# Altium PCB Z693_H93-A_KD01_V1.3_X6.PcbDoc (part 6 of 7)
Units mil, origin at the board's own origin, x right, y up, seen from the top; angles counter-clockwise.
Board outline 6229.44 x 4099.52 mil, 4 copper layers (Top Layer, Mid-Layer 1, Mid-Layer 2, Bottom Layer); 1032 components, 62 nets, 3170 pads, 1350 vias.
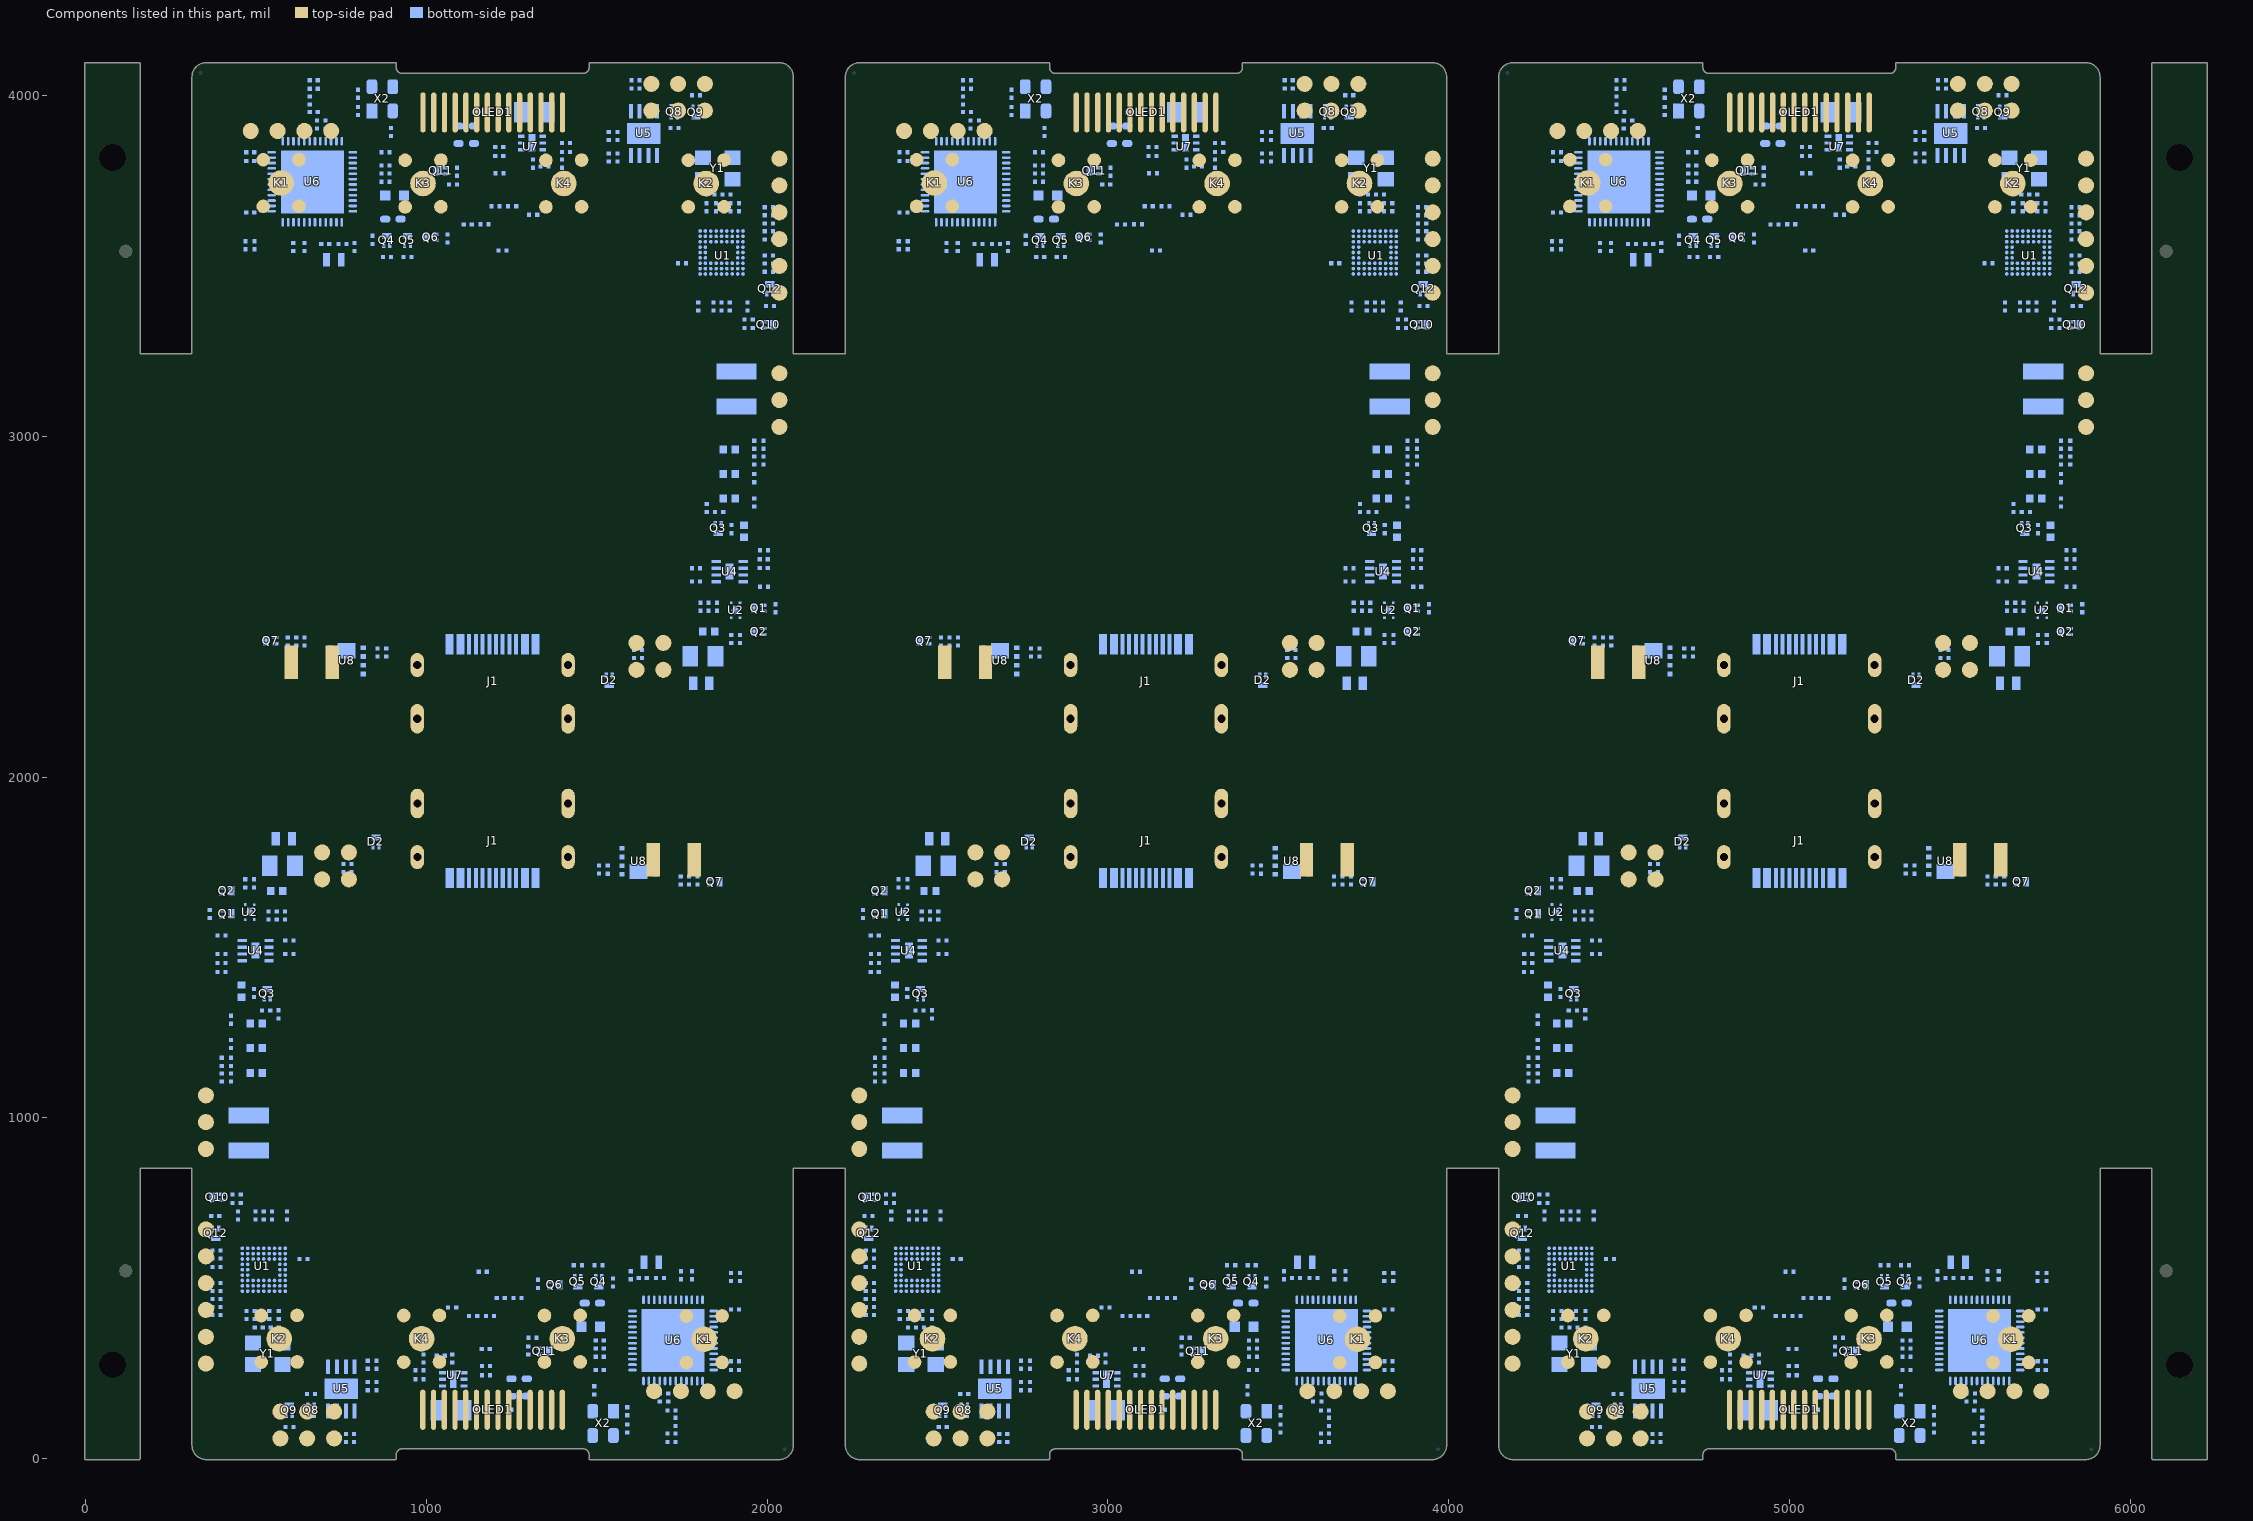
[diagram p8: the components of this part, seen from the top]

## Via types
v1: diameter 15, hole 8, Top Layer to Bottom Layer, tented both sides, 1194 vias
v2: diameter 8, hole 4, Mid-Layer 2 to Bottom Layer, tented bottom, 150 vias
v3: diameter 20, hole 10, Top Layer to Bottom Layer, tented both sides, 6 vias

## Nets (pads, with @x,y where several pads share a name; then routed paths per layer and width w, separated by ;. In a path a pad name is that pad's centre, name@x,y a point inside that pad or via, vN(x,y) a via of type N, cw(c..) or ccw(c..) an arc to the next point about the centre after c; other vN are vias at no path point) (continued)
copper on no net: (continued)
  Bottom Layer w10: 387.45,1454.91 387.45,1480.91 ; 400.02,1130.5 400.02,1152.91 427.26,1152.91 427.26,1130.5 ; v1(400.26,1560.1) 400.26,1590.1 367.66,1590.1 350.39,1572.83 350.39,1388.96 384.73,1354.63 457.79,1354.63 ; 400.26,1607.81 367,1607.81 364.38,1610.43 364.38,1664.93 375.26,1675.81 400.26,1675.81 ; v1(400.26,1632.1) 400.26,1658.1 ; 427.26,1176.53 439.08,1176.53 483.26,1132.35 v1(483.26,1103.56) ; 457.91,1354.75 494.12,1354.75 ; 541.98,1350.81 541.98,1315.81 566.74,1315.81 ; 657.63,3866.49 657.63,3952.25 657.88,3952.51 657.88,3974.51 ; 1731.88,119.99 1731.88,141.99 1732.13,142.24 1732.13,228 ; 1823.02,2778.68 1847.79,2778.68 1847.79,2743.68 ; 1895.65,2739.74 1931.85,2739.74 ; v1(1906.5,2990.93) 1906.5,2962.14 1950.69,2917.96 1962.5,2917.96 ; 1931.98,2739.86 2005.04,2739.86 2039.37,2705.53 2039.37,2521.66 2022.1,2504.4 1989.5,2504.4 v1(1989.5,2534.4) ; 1962.5,2963.99 1962.5,2941.58 1989.74,2941.58 1989.74,2963.99 ; 1989.5,2418.68 2014.5,2418.68 2025.39,2429.56 2025.39,2484.06 2022.76,2486.68 1989.5,2486.68 ; 1989.5,2436.4 v1(1989.5,2462.4) ; 2002.32,2613.58 2002.32,2639.58 ; 2304.77,1454.91 2304.77,1480.91 ; 2317.35,1130.5 2317.35,1152.91 2344.58,1152.91 2344.58,1130.5 ; v1(2317.58,1560.1) 2317.58,1590.1 2284.99,1590.1 2267.72,1572.83 2267.72,1388.96 2302.05,1354.63 2375.11,1354.63 ; 2317.58,1607.81 2284.32,1607.81 2281.7,1610.43 2281.7,1664.93 2292.58,1675.81 2317.58,1675.81 ; v1(2317.58,1632.1) 2317.58,1658.1 ; 2344.58,1176.53 2356.4,1176.53 2400.58,1132.35 v1(2400.58,1103.56) ; 2375.23,1354.75 2411.44,1354.75 ; 2459.3,1350.81 2459.3,1315.81 2484.07,1315.81 ; 2574.95,3866.49 2574.95,3952.25 2575.21,3952.51 2575.21,3974.51 ; 3649.21,119.99 3649.21,141.99 3649.46,142.24 3649.46,228 ; 3740.35,2778.68 3765.11,2778.68 3765.11,2743.68 ; 3812.97,2739.74 3849.18,2739.74 ; v1(3823.83,2990.93) 3823.83,2962.14 3868.01,2917.96 3879.83,2917.96 ; 3849.3,2739.86 3922.36,2739.86 3956.69,2705.53 3956.69,2521.66 3939.43,2504.4 3906.83,2504.4 v1(3906.83,2534.4) ; 3879.83,2963.99 3879.83,2941.58 3907.06,2941.58 3907.06,2963.99 ; 3906.83,2418.68 3931.83,2418.68 3942.71,2429.56 3942.71,2484.06 3940.09,2486.68 3906.83,2486.68 ; 3906.83,2436.4 v1(3906.83,2462.4) ; 3919.64,2613.58 3919.64,2639.58 ; 4222.1,1454.91 4222.1,1480.91 ; 4234.67,1130.5 4234.67,1152.91 4261.91,1152.91 4261.91,1130.5 ; v1(4234.91,1560.1) 4234.91,1590.1 4202.31,1590.1 4185.04,1572.83 4185.04,1388.96 4219.38,1354.63 4292.44,1354.63 ; 4234.91,1607.81 4201.65,1607.81 4199.03,1610.43 4199.03,1664.93 4209.91,1675.81 4234.91,1675.81 ; v1(4234.91,1632.1) 4234.91,1658.1 ; 4261.91,1176.53 4273.73,1176.53 4317.91,1132.35 v1(4317.91,1103.56) ; 4292.56,1354.75 4328.77,1354.75 ; 4376.62,1350.81 4376.62,1315.81 4401.39,1315.81 ; 4492.28,3866.49 4492.28,3952.25 4492.53,3952.51 4492.53,3974.51 ; 5566.53,119.99 5566.53,141.99 5566.78,142.24 5566.78,228 ; 5657.67,2778.68 5682.44,2778.68 5682.44,2743.68 ; 5730.29,2739.74 5766.5,2739.74 ; v1(5741.15,2990.93) 5741.15,2962.14 5785.33,2917.96 5797.15,2917.96 ; 5766.62,2739.86 5839.68,2739.86 5874.02,2705.53 5874.02,2521.66 5856.75,2504.4 5824.15,2504.4 v1(5824.15,2534.4) ; 5797.15,2963.99 5797.15,2941.58 5824.39,2941.58 5824.39,2963.99 ; 5824.15,2418.68 5849.15,2418.68 5860.03,2429.56 5860.03,2484.06 5857.41,2486.68 5824.15,2486.68 ; 5824.15,2436.4 v1(5824.15,2462.4) ; 5836.96,2613.58 5836.96,2639.58
  Bottom Layer w12: 368.8,672.35 368.8,711.88 368.8,763.58 372.25,767.02 ; 396.26,409.97 472.16,409.97 ; v1(401.26,1500.94) 459.89,1500.94 ; 411.07,1481.25 v1(429.82,1481.25) 459.89,1481.25 ; 495.01,1582.58 537.01,1582.58 ; 499.26,1491.1 509.1,1500.94 608.95,1500.94 ; 518.35,1132.35 518.35,1315.81 ; 991.89,282.1 991.89,259.78 998.89,252.78 1047.76,252.78 1047.76,273.56 1056.3,282.1 1076.26,282.1 1118.8,282.1 1132.58,295.88 1273.57,295.88 1295.08,274.36 1295.08,234.66 v1(1336.34,234.65) ; v1(1053.43,3859.84) 1094.68,3859.83 1094.68,3820.13 1116.2,3798.62 1257.18,3798.62 1270.96,3812.4 1313.5,3812.4 1333.46,3812.4 1342,3820.93 1342,3841.71 1390.87,3841.71 1397.87,3834.71 1397.87,3812.4 ; 1139.88,3859.93 1140.04,3860.09 ; 1249.73,234.4 1249.88,234.56 ; 1780.81,2593.55 1880.66,2593.55 1890.5,2603.4 ; 1852.76,2511.91 1894.76,2511.91 ; 1871.41,2778.68 1871.41,2962.14 ; 1917.6,3684.52 1993.5,3684.52 ; 1929.87,2593.55 v1(1988.5,2593.55) ; 1929.87,2613.24 v1(1959.95,2613.24) 1978.69,2613.24 ; 2017.52,3327.47 2020.96,3330.91 2020.96,3382.62 2020.96,3422.14 ; 2286.13,672.35 2286.13,711.88 2286.13,763.58 2289.57,767.02 ; 2313.58,409.97 2389.48,409.97 ; v1(2318.58,1500.94) 2377.21,1500.94 ; 2328.4,1481.25 v1(2347.14,1481.25) 2377.21,1481.25 ; 2412.33,1582.58 2454.33,1582.58 ; 2416.58,1491.1 2426.43,1500.94 2526.28,1500.94 ; 2435.68,1132.35 2435.68,1315.81 ; 2909.21,282.1 2909.21,259.78 2916.21,252.78 2965.09,252.78 2965.09,273.56 2973.62,282.1 2993.58,282.1 3036.13,282.1 3049.91,295.88 3190.89,295.88 3212.41,274.36 3212.41,234.66 v1(3253.66,234.65) ; v1(2970.75,3859.84) 3012.01,3859.83 3012.01,3820.13 3033.52,3798.62 3174.5,3798.62 3188.28,3812.4 3230.83,3812.4 3250.79,3812.4 3259.32,3820.93 3259.32,3841.71 3308.2,3841.71 3315.2,3834.71 3315.2,3812.4 ; 3057.21,3859.93 3057.36,3860.09 ; 3167.05,234.4 3167.21,234.56 ; 3698.14,2593.55 3797.99,2593.55 3807.83,2603.4 ; 3770.08,2511.91 3812.08,2511.91 ; 3788.73,2778.68 3788.73,2962.14 ; 3834.93,3684.52 3910.83,3684.52 ; 3847.2,2593.55 v1(3905.83,2593.55) ; 3847.2,2613.24 v1(3877.27,2613.24) 3896.02,2613.24 ; 3934.84,3327.47 3938.28,3330.91 3938.28,3382.62 3938.28,3422.14 ; 4203.45,672.35 4203.45,711.88 4203.45,763.58 4206.89,767.02 ; 4230.91,409.97 4306.81,409.97 ; v1(4235.91,1500.94) 4294.54,1500.94 ; 4245.72,1481.25 v1(4264.47,1481.25) 4294.54,1481.25 ; 4329.66,1582.58 4371.66,1582.58 ; 4333.91,1491.1 4343.75,1500.94 4443.6,1500.94 ; 4353,1132.35 4353,1315.81 ; 4826.54,282.1 4826.54,259.78 4833.54,252.78 4882.41,252.78 4882.41,273.56 4890.95,282.1 4910.91,282.1 4953.45,282.1 4967.23,295.88 5108.21,295.88 5129.73,274.36 5129.73,234.66 v1(5170.99,234.65) ; v1(4888.07,3859.84) 4929.33,3859.83 4929.33,3820.13 4950.85,3798.62 5091.83,3798.62 5105.61,3812.4 5148.15,3812.4 5168.11,3812.4 5176.65,3820.93 5176.65,3841.71 5225.52,3841.71 5232.52,3834.71 5232.52,3812.4 ; 4974.53,3859.93 4974.69,3860.09 ; 5084.37,234.4 5084.53,234.56 ; 5615.46,2593.55 5715.31,2593.55 5725.15,2603.4 ; 5687.4,2511.91 5729.4,2511.91 ; 5706.06,2778.68 5706.06,2962.14 ; 5752.25,3684.52 5828.15,3684.52 ; 5764.52,2593.55 v1(5823.15,2593.55) ; 5764.52,2613.24 v1(5794.59,2613.24) 5813.34,2613.24 ; 5852.17,3327.47 5855.61,3330.91 5855.61,3382.62 5855.61,3422.14
  Bottom Layer w15: 337.88,4066.93 337.88,3998.13 377.88,3998.13 377.88,4066.93 417.88,4066.93 417.88,3998.13 457.88,3998.13 457.88,4066.93 497.88,4066.93 497.88,3998.13 537.88,3998.13 537.88,4066.93 577.88,4066.93 577.88,3998.13 617.88,3998.13 617.88,4066.93 657.88,4066.93 657.88,4045.4 657.88,4020.47 657.88,3998.13 ; v1(342.52,632.88) 342.52,601.88 357.31,587.09 372.64,587.09 372.64,563 ; v1(361.52,1176.53) 400.02,1176.53 ; v1(362.8,1106.88) 400.02,1106.88 ; v1(368.89,1554.56) 368.89,1546.56 379.83,1535.62 386.89,1535.62 ; v1(372.64,402.32) 372.64,445.1 372.64,469.1 372.64,492.36 372.64,516.1 ; 386.89,1428.57 386.89,1417.06 v1(412.39,1391.56) ; v1(389.77,733.88) 389.77,741.88 398.74,750.84 ; 392.43,675.35 392.43,711.88 v1(413.8,711.88) ; 396.26,492.36 396.26,479.88 ; 399.8,750.84 431.77,750.84 431.77,740.76 447.26,725.28 ; v1(410.91,1245.07) 427.26,1228.72 ; 411.07,1454.91 422.05,1454.91 v1(429.39,1447.56) ; v1(412.26,1325.09) 427.26,1325.09 ; 427.26,1277.1 483.26,1277.1 v1(483.26,1303.56) ; 427.26,1300.1 427.26,1325.09 ; 427.82,1598.95 429.82,1596.95 v1(429.82,1555.54) ; v1(435.26,491.61) 423.53,479.88 396.26,479.88 ; 455.39,750.84 455.39,775.84 v1(455.39,794.84) ; v1(468.8,1731.31) 468.8,1700.32 494.92,1700.32 ; 471.79,3656.78 471.79,3689.51 v1(442.37,3718.93) 442.37,3813.93 462.45,3834.01 471.79,3834.01 ; 471.79,3808.4 471.79,3732.03 495.41,3708.4 495.41,3656.78 ; v1(481.39,1555.56) 468.91,1568.05 468.91,1590.69 482.45,1604.23 ; v1(490.37,2421.26) 490.37,2387.21 504.96,2372.62 548.96,2372.62 557.19,2380.84 557.19,2389.13 ; 494.12,1378.37 533.12,1378.37 ; v1(495.41,3637.78) 495.41,3656.78 ; 495.5,3549.4 469.5,3549.4 435.74,3549.4 382.96,3496.62 382.96,2394.62 426.96,2350.62 645.96,2350.62 674.74,2321.84 v1(674.74,2291.93) ; 495.5,3573.02 469.5,3573.02 423.5,3573.02 358.96,3508.47 358.96,2383.62 415.96,2326.62 633.96,2326.62 650.88,2309.69 v1(650.88,2291.93) ; 496.65,409.97 496.65,384.59 459.43,384.59 445.39,370.56 445.39,287.56 456.35,276.6 491.27,276.6 533.22,234.65 v1(638.39,234.65) 638.39,321.35 620.15,339.59 577.88,339.59 577.88,373.98 567.27,384.59 ; v1(498.88,156.56) 542.12,156.56 570.14,128.54 586.4,128.54 ; 521.48,1350.81 495.75,1325.09 427.26,1325.09 ; v1(523.26,682.56) 523.26,701.65 546.85,701.65 558.98,701.65 582.6,725.28 591.76,725.28 ; v1(523.26,747.69) 523.26,725.28 546.85,725.28 ; v1(537.01,1562.56) 537.01,1582.58 ; v1(537.01,1627.17) 537.01,1606.2 561.26,1606.2 ; 538.63,1520.62 v1(568.88,1520.62) 586.27,1520.62 ; 540.8,1739.88 578.69,1701.99 578.69,1666.7 ; 542.6,3656.78 495.41,3656.78 ; 546.01,643.88 586.25,643.88 590.77,648.4 v1(590.77,678.88) ; 558.8,1818.88 558.8,1836.88 586.1,1864.17 699.94,1864.17 v1(733.88,1830.24) 845.82,1830.24 852.4,1823.65 ; v1(566.8,1233.88) 566.8,1292.25 ; 567.27,409.97 593.26,409.97 673.35,329.87 ; 593.43,2386.22 618.5,2386.22 643.13,2386.22 649.78,2379.57 v1(676.82,2379.57) 717.72,2379.57 ; 609.89,1520.62 609.89,1481.25 614.39,1476.75 v1(614.39,1456.56) ; 618.5,2409.84 643.13,2409.84 v1(643.13,2434.02) ; 651.25,586.85 675.78,586.85 687.8,598.88 864.77,598.88 v1(886.77,576.88) ; 661.98,128.04 661.98,80.28 v1(692.91,49.34) 764.12,49.34 ; v1(672.96,3532.62) 672.96,3545.47 691.88,3564.4 ; 673.35,155.6 673.35,189.6 673.35,209.88 ; v1(676.82,2353.98) 717.72,2353.98 717.72,2328.39 ; 679.5,3948.63 679.5,3927.02 702.5,3927.02 ; 681.5,3948.63 681.5,3952.51 681.5,4017.47 ; 681.5,4045.4 681.5,4020.47 681.5,4017.47 ; 738.11,270.1 738.11,309.18 v1(749.8,320.88) ; 753.87,3866.49 753.87,3876.92 758.88,3881.93 v1(821.39,3881.93) 896.88,3881.93 899.88,3881.93 934.88,3846.93 934.88,3795.4 ; 763.85,49.61 763.85,93.1 ; 763.85,140.17 763.85,93.1 ; 766.13,3564.4 766.13,3559.91 781.83,3544.2 789.5,3544.2 v1(820.78,3544.2) 841.88,3565.31 ; 766.54,2371.3 783.86,2353.98 815.36,2353.98 882.3,2353.98 882.5,2353.77 948.91,2353.77 973.56,2329.12 ; v1(778.77,347.88) 730.8,347.88 712.8,329.87 673.35,329.87 ; 784.6,3659.03 805.53,3659.03 v1@826.78,3637.78 ; 787.74,72.1 787.74,49.34 v1(812.13,49.34) ; 800,3943.23 800,3926.31 820.75,3905.55 896.88,3905.55 901.56,3910.23 901.56,3955.39 ; 815.36,2302.8 v1(849.24,2302.8) ; 815.36,2379.57 v1(837.88,2379.57) 857.36,2379.57 ; v1(828.28,3637.78) 879.6,3637.78 879.6,3612.62 ; 840.44,4026.32 831.59,4017.47 800,4017.47 681.5,4017.47 ; 841.88,3588.93 875.28,3588.93 879.6,3593.25 879.6,3612.62 ; v1(843.3,3526.95) 872.6,3526.95 874.33,3528.68 874.33,3561.4 ; 854.07,201.1 828.48,201.1 828.48,116.32 805.26,93.1 763.85,93.1 ; 892.29,3771.4 929.18,3771.4 973.96,3726.62 973.96,3647.52 v1(964.32,3637.88) 924.8,3637.88 ; 892.29,3795.4 934.88,3795.4 ; v1(915.37,3550.93) 925.83,3561.4 933,3561.4 ; v1(933.1,3503.71) 933.1,3526.95 ; v1(936.8,234.65) 936.8,187.88 959.8,164.88 991.89,164.88 ; v1(965.8,212.71) 965.8,259.78 ; 991.89,229.08 991.89,233.1 ; v1(1021.38,212.1) 1071.42,212.1 1079.26,219.94 1079.26,233.1 ; 1026.5,3572.4 1026.5,3551.8 v1(1071.37,3506.93) ; 1047.76,233.1 991.89,233.1 ; 1056.96,3769.91 1056.96,3749.03 1066.43,3739.56 1066.43,3683.15 v1(1083.96,3665.62) ; v1(1084.92,4024.89) 1084.92,3920.58 1094.68,3910.82 ; 1090.43,3764.94 1090.43,3739.94 1090.05,3739.56 1090.05,3689.52 v1(1105.96,3673.62) ; 1109.88,3622.48 1095.1,3622.48 v1(1086.46,3631.12) 1074.76,3642.82 998.96,3642.82 ; 1116.42,3950.93 v1(1116.42,4024.47) ; v1(1136.8,321.88) 1162.8,321.88 ; v1(1140.04,3832.62) 1140.04,3950.93 ; v1(1167.26,3675.48) 1191.26,3675.48 ; v1(1170.96,3779.12) 1177.46,3772.62 1203.34,3772.62 ; 1186.43,321.88 1212.3,321.88 v1(1218.8,315.38) ; v1(1187.25,220.56) 1187.25,245.1 ; 1187.25,271.78 1206.9,271.78 1216.8,261.88 1216.8,122.88 1184.8,90.88 1072.8,90.88 1035.8,127.88 1035.8,142.88 1013.8,164.88 991.89,164.88 ; 1198.5,419.01 v1(1222.5,419.01) ; 1202.51,3822.71 1182.87,3822.71 1172.96,3832.62 1172.96,3971.62 1204.96,4003.62 1316.96,4003.62 1353.96,3966.62 1353.96,3951.62 1375.96,3929.62 1397.87,3929.62 ; 1202.51,3849.4 v1(1202.51,3873.93) ; 1226.96,3772.62 v1(1252.96,3772.62) ; 1249.73,143.56 v1(1249.73,261.88) ; v1(1273.35,70.02) 1273.35,143.56 ; 1279.88,472.01 1294.66,472.01 v1(1303.3,463.37) 1315,451.67 1390.8,451.67 ; v1(1283.8,420.88) 1299.71,404.97 1299.71,354.93 1299.34,354.55 1299.34,329.55 ; 1295.08,183.67 1304.84,173.91 v1(1304.84,69.6) ; v1(1305.8,428.88) 1323.34,411.34 1323.34,354.93 1332.8,345.46 1332.8,324.58 ; 1310.5,3861.4 1310.5,3874.55 1318.35,3882.4 v1(1368.39,3882.4) ; v1(1318.39,587.56) 1363.26,542.69 1363.26,522.1 ; 1342,3861.4 1397.87,3861.4 ; 1397.87,3865.41 1397.87,3861.4 ; 1416.21,1765.37 1440.86,1740.72 1507.26,1740.72 1507.47,1740.51 1574.41,1740.51 1605.91,1740.51 1623.23,1723.19 ; 1423.96,3834.71 v1(1423.96,3881.78) ; v1(1452.96,3859.84) 1452.96,3906.62 1429.96,3929.62 1397.87,3929.62 ; 1456.67,567.54 v1(1456.67,590.78) ; 1456.76,533.1 1463.93,533.1 v1(1474.39,543.56) ; 1464.97,456.61 v1(1425.44,456.61) 1415.8,446.97 1415.8,367.87 1460.58,323.1 1497.47,323.1 ; 1488.21,139.1 1488.21,184.26 1492.88,188.94 1569.02,188.94 1589.77,168.18 1589.77,151.26 ; 1497.47,299.1 1454.88,299.1 ; v1(1502.99,3517.62) 1524.99,3495.62 1701.96,3495.62 1713.99,3507.64 1738.51,3507.64 ; 1515.44,533.1 1515.44,565.81 1517.17,567.54 v1(1546.47,567.54) ; 1532.41,1714.92 v1(1551.88,1714.92) 1574.41,1714.92 ; 1535.69,3893.4 1561.28,3893.4 1561.28,3978.17 1584.5,4001.4 1625.91,4001.4 ; 1537.36,2270.84 1543.95,2264.25 v1(1655.88,2264.25) 1689.82,2230.32 1803.66,2230.32 1830.96,2257.62 1830.96,2275.62 ; v1(1540.53,1791.69) 1574.41,1791.69 ; 1547.88,505.56 1514.48,505.56 1510.17,501.24 1510.17,481.88 ; 1547.88,529.18 v1(1568.99,550.29) 1600.26,550.29 1607.93,550.29 1623.64,534.58 1623.64,530.1 ; 1549.33,68.17 1558.17,77.02 1589.77,77.02 1708.26,77.02 ; v1(1561.49,456.71) 1510.17,456.71 1510.17,481.88 ; v1@1562.99,456.71 1584.24,435.46 1605.17,435.46 ; v1(1577.63,4045.15) 1602.03,4045.15 1602.03,4022.4 ; v1(1610.99,3746.62) 1658.96,3746.62 1676.96,3764.62 1716.41,3764.62 ; 1625.65,4045.15 v1(1696.85,4045.15) 1727.79,4014.21 1727.79,3966.45 ; 1625.91,3954.32 1625.91,4001.4 ; 1625.91,4044.88 1625.91,4001.4 ; 1635.89,228 1635.89,217.57 1630.88,212.56 v1(1568.38,212.56) 1492.88,212.56 1489.88,212.56 1454.88,247.56 1454.88,299.1 ; v1(1639.96,3773.62) 1651.65,3785.31 1651.65,3824.4 ; 1672.05,1714.92 v1(1712.95,1714.92) 1739.98,1714.92 1746.64,1708.27 1771.26,1708.27 1796.34,1708.27 ; 1672.05,1766.1 1672.05,1740.51 v1(1712.95,1740.51) ; 1687.26,167.47 1710.26,167.47 1710.26,145.86 ; 1697.88,530.1 1716.8,549.02 v1(1716.8,561.88) ; 1708.26,49.1 1708.26,74.02 1708.26,77.02 ; 1708.26,145.86 1708.26,141.99 1708.26,77.02 ; v1(1715.02,1802.56) 1715.02,1772.65 1743.8,1743.88 1962.8,1743.88 2006.8,1699.88 2006.8,597.88 1954.02,545.1 1920.26,545.1 1894.26,545.1 ; 1716.41,3938.89 1716.41,3904.89 1716.41,3884.62 ; 1731.88,96.36 1731.88,74.02 1731.88,49.1 1731.88,27.56 1771.88,27.56 1771.88,96.36 1811.88,96.36 1811.88,27.56 1851.88,27.56 1851.88,96.36 1891.88,96.36 1891.88,27.56 1931.88,27.56 1931.88,96.36 1971.88,96.36 1971.88,27.56 2011.88,27.56 2011.88,96.36 2051.88,96.36 2051.88,27.56 ; v1(1738.88,1802.56) 1738.88,1784.8 1755.8,1767.88 1973.8,1767.88 2030.8,1710.88 2030.8,586.02 1966.26,521.47 1920.26,521.47 1894.26,521.47 ; v1(1746.64,1660.47) 1746.64,1684.65 1771.26,1684.65 ; v1(1775.37,2637.93) 1775.37,2617.74 1779.87,2613.24 1779.87,2573.87 ; 1798.01,3369.21 1807.17,3369.21 1830.79,3392.84 1842.91,3392.84 1866.5,3392.84 v1(1866.5,3411.93) ; v1(1798.99,3415.62) 1798.99,3446.1 1803.51,3450.62 1843.76,3450.62 ; 1803.36,3965.95 1819.62,3965.95 1847.64,3937.93 v1(1890.88,3937.93) ; 1803.5,2573.87 v1(1820.88,2573.87) 1851.13,2573.87 ; 1811.07,2427.79 1811.07,2392.5 1848.96,2354.62 ; 1822.5,3684.52 1796.5,3684.52 1716.41,3764.62 ; 1822.5,3709.9 1811.88,3720.51 1811.88,3754.9 1769.61,3754.9 1751.37,3773.14 v1(1751.37,3859.84) 1856.54,3859.84 1898.5,3817.89 1933.41,3817.89 1944.37,3806.93 1944.37,3723.93 1930.34,3709.9 1893.12,3709.9 1893.12,3684.52 ; 1822.96,2802.24 v1(1822.96,2860.62) ; 1828.5,2488.29 1852.76,2488.29 v1(1852.76,2467.32) ; 1832.58,1705.36 1832.58,1713.65 1840.8,1721.88 1884.8,1721.88 1899.39,1707.29 v1(1899.39,1673.23) ; 1842.91,3369.21 1866.5,3369.21 v1(1866.5,3346.8) ; 1847.17,437.71 1894.35,437.71 ; 1852.76,2511.91 v1(1852.76,2531.93) ; 1856.65,2716.12 1895.65,2716.12 ; 1868.29,2743.68 1894.01,2769.4 1962.5,2769.4 ; v1(1894.35,456.71) 1894.35,437.71 ; 1894.84,2394.17 1920.96,2394.17 v1(1920.96,2363.18) ; v1(1906.5,2790.93) 1906.5,2817.4 1962.5,2817.4 ; 1907.32,2490.26 1920.86,2503.8 1920.86,2526.44 v1(1908.37,2538.93) ; 1917.98,260.48 1927.32,260.48 1947.39,280.56 v1(1947.39,375.56) 1917.98,404.98 1917.98,437.71 ; 1917.98,286.1 1917.98,362.46 1894.35,386.09 1894.35,437.71 ; v1(1934.37,3299.65) 1934.37,3318.65 1934.37,3343.65 ; 1942.5,3369.21 1957.99,3353.73 1957.99,3343.65 1989.96,3343.65 ; v1(1954.5,3602.88) 1966.24,3614.62 1993.5,3614.62 ; v1(1959.95,2538.95) 1959.95,2497.54 1961.95,2495.54 ; v1(1960.37,2646.93) 1967.72,2639.58 1978.69,2639.58 ; 1962.5,2794.4 1962.5,2769.4 ; 1962.5,2865.77 v1(1978.86,2849.42) ; v1(1975.96,3382.62) 1997.34,3382.62 1997.34,3419.14 ; v1(1977.37,2702.93) 2002.87,2677.43 2002.87,2665.92 ; v1(1977.5,2769.4) 1962.5,2769.4 ; 1989.74,2917.96 v1(2028.24,2917.96) ; 1989.74,2987.62 v1(2026.96,2987.62) ; 1991.02,3343.65 1999.99,3352.62 v1(1999.99,3360.62) ; 1993.5,3602.14 1993.5,3614.62 ; 2002.87,2558.87 2009.93,2558.87 2020.87,2547.93 v1(2020.87,2539.93) ; 2017.13,3531.49 2017.13,3507.4 2032.46,3507.4 2047.25,3492.62 v1(2047.25,3461.62) ; 2017.13,3578.4 2017.13,3602.14 2017.13,3625.4 2017.13,3649.4 v1(2017.13,3692.18) ; 2255.21,4066.93 2255.21,3998.13 2295.21,3998.13 2295.21,4066.93 2335.21,4066.93 2335.21,3998.13 2375.21,3998.13 2375.21,4066.93 2415.21,4066.93 2415.21,3998.13 2455.21,3998.13 2455.21,4066.93 2495.21,4066.93 2495.21,3998.13 2535.21,3998.13 2535.21,4066.93 2575.21,4066.93 2575.21,4045.4 2575.21,4020.47 2575.21,3998.13 ; v1(2259.84,632.88) 2259.84,601.88 2274.63,587.09 2289.96,587.09 2289.96,563 ; v1(2278.84,1176.53) 2317.35,1176.53 ; v1(2280.13,1106.88) 2317.35,1106.88 ; v1(2286.22,1554.56) 2286.22,1546.56 2297.15,1535.62 2304.21,1535.62 ; v1(2289.96,402.32) 2289.96,445.1 2289.96,469.1 2289.96,492.36 2289.96,516.1 ; 2304.21,1428.57 2304.21,1417.06 v1(2329.72,1391.56) ; v1(2307.1,733.88) 2307.1,741.88 2316.06,750.84 ; 2309.75,675.35 2309.75,711.88 v1(2331.13,711.88) ; 2313.58,492.36 2313.58,479.88 ; 2317.13,750.84 2349.1,750.84 2349.1,740.76 2364.58,725.28 ; v1(2328.23,1245.07) 2344.58,1228.72 ; 2328.4,1454.91 2339.37,1454.91 v1(2346.72,1447.56) ; v1(2329.58,1325.09) 2344.58,1325.09 ; 2344.58,1277.1 2400.58,1277.1 v1(2400.58,1303.56) ; 2344.58,1300.1 2344.58,1325.09 ; 2345.14,1598.95 2347.14,1596.95 v1(2347.14,1555.54) ; v1(2352.58,491.61) 2340.85,479.88 2313.58,479.88 ; 2372.72,750.84 2372.72,775.84 v1(2372.72,794.84) ; v1(2386.13,1731.31) 2386.13,1700.32 2412.25,1700.32 ; 2389.11,3656.78 2389.11,3689.51 v1(2359.69,3718.93) 2359.69,3813.93 2379.77,3834.01 2389.11,3834.01 ; 2389.11,3808.4 2389.11,3732.03 2412.73,3708.4 2412.73,3656.78 ; v1(2398.72,1555.56) 2386.23,1568.05 2386.23,1590.69 2399.77,1604.23 ; v1(2407.69,2421.26) 2407.69,2387.21 2422.28,2372.62 2466.28,2372.62 2474.51,2380.84 2474.51,2389.13 ; 2411.44,1378.37 2450.44,1378.37 ; v1(2412.73,3637.78) 2412.73,3656.78 ; 2412.83,3549.4 2386.83,3549.4 2353.06,3549.4 2300.28,3496.62 2300.28,2394.62 2344.28,2350.62 2563.28,2350.62 2592.06,2321.84 v1(2592.06,2291.93) ; 2412.83,3573.02 2386.83,3573.02 2340.83,3573.02 2276.28,3508.47 2276.28,2383.62 2333.28,2326.62 2551.28,2326.62 2568.21,2309.69 v1(2568.21,2291.93) ; 2413.97,409.97 2413.97,384.59 2376.75,384.59 2362.72,370.56 2362.72,287.56 2373.68,276.6 2408.59,276.6 2450.55,234.65 v1(2555.72,234.65) 2555.72,321.35 2537.48,339.59 2495.21,339.59 2495.21,373.98 2484.59,384.59 ; v1(2416.21,156.56) 2459.44,156.56 2487.47,128.54 2503.73,128.54 ; 2438.8,1350.81 2413.08,1325.09 2344.58,1325.09 ; v1(2440.58,682.56) 2440.58,701.65 2464.17,701.65 2476.3,701.65 2499.92,725.28 2509.08,725.28 ; v1(2440.58,747.69) 2440.58,725.28 2464.17,725.28 ; v1(2454.33,1562.56) 2454.33,1582.58 ; v1(2454.33,1627.17) 2454.33,1606.2 2478.58,1606.2 ; 2455.95,1520.62 v1(2486.21,1520.62) 2503.59,1520.62 ; 2458.13,1739.88 2496.02,1701.99 2496.02,1666.7 ; 2459.92,3656.78 2412.73,3656.78 ; 2463.33,643.88 2503.58,643.88 2508.1,648.4 v1(2508.1,678.88) ; 2476.13,1818.88 2476.13,1836.88 2503.43,1864.17 2617.27,1864.17 v1(2651.21,1830.24) 2763.14,1830.24 2769.73,1823.65 ; v1(2484.13,1233.88) 2484.13,1292.25 ; 2484.59,409.97 2510.58,409.97 2590.68,329.87 ; 2510.75,2386.22 2535.83,2386.22 2560.45,2386.22 2567.1,2379.57 v1(2594.14,2379.57) 2635.04,2379.57 ; 2527.21,1520.62 2527.21,1481.25 2531.72,1476.75 v1(2531.72,1456.56) ; 2535.83,2409.84 2560.45,2409.84 v1(2560.45,2434.02) ; 2568.58,586.85 2593.1,586.85 2605.13,598.88 2782.1,598.88 v1(2804.1,576.88) ; 2579.3,128.04 2579.3,80.28 v1(2610.24,49.34) 2681.44,49.34 ; v1(2590.28,3532.62) 2590.28,3545.47 2609.21,3564.4 ; 2590.68,155.6 2590.68,189.6 2590.68,209.88 ; v1(2594.14,2353.98) 2635.04,2353.98 2635.04,2328.39 ; 2596.83,3948.63 2596.83,3927.02 2619.83,3927.02 ; 2598.83,3948.63 2598.83,3952.51 2598.83,4017.47 ; 2598.83,4045.4 2598.83,4020.47 2598.83,4017.47 ; 2655.43,270.1 2655.43,309.18 v1(2667.13,320.88) ; 2671.19,3866.49 2671.19,3876.92 2676.21,3881.93 v1(2738.71,3881.93) 2814.21,3881.93 2817.21,3881.93 2852.21,3846.93 2852.21,3795.4 ; 2681.17,49.61 2681.17,93.1 ; 2681.17,140.17 2681.17,93.1 ; 2683.45,3564.4 2683.45,3559.91 2699.15,3544.2 2706.83,3544.2 v1(2738.1,3544.2) 2759.21,3565.31 ; 2683.86,2371.3 2701.18,2353.98 2732.68,2353.98 2799.62,2353.98 2799.83,2353.77 2866.23,2353.77 2890.88,2329.12 ; v1(2696.1,347.88) 2648.13,347.88 2630.13,329.87 2590.68,329.87 ; 2701.92,3659.03 2722.85,3659.03 v1@2744.1,3637.78 ; 2705.06,72.1 2705.06,49.34 v1(2729.46,49.34) ; 2717.32,3943.23 2717.32,3926.31 2738.07,3905.55 2814.21,3905.55 2818.88,3910.23 2818.88,3955.39 ; 2732.68,2302.8 v1(2766.56,2302.8) ; 2732.68,2379.57 v1(2755.21,2379.57) 2774.68,2379.57 ; v1(2745.6,3637.78) 2796.92,3637.78 2796.92,3612.62 ; 2757.76,4026.32 2748.92,4017.47 2717.32,4017.47 2598.83,4017.47 ; 2759.21,3588.93 2792.61,3588.93 2796.92,3593.25 2796.92,3612.62 ; v1(2760.62,3526.95) 2789.92,3526.95 2791.65,3528.68 2791.65,3561.4 ; 2771.4,201.1 2745.8,201.1 2745.8,116.32 2722.58,93.1 2681.17,93.1 ; 2809.62,3771.4 2846.51,3771.4 2891.28,3726.62 2891.28,3647.52 v1(2881.64,3637.88) 2842.12,3637.88 ; 2809.62,3795.4 2852.21,3795.4 ; v1(2832.69,3550.93) 2843.16,3561.4 2850.33,3561.4 ; v1(2850.42,3503.71) 2850.42,3526.95 ; v1(2854.13,234.65) 2854.13,187.88 2877.13,164.88 2909.21,164.88 ; v1(2883.13,212.71) 2883.13,259.78 ; 2909.21,229.08 2909.21,233.1 ; v1(2938.7,212.1) 2988.74,212.1 2996.58,219.94 2996.58,233.1 ; 2943.83,3572.4 2943.83,3551.8 v1(2988.69,3506.93) ; 2965.09,233.1 2909.21,233.1 ; 2974.28,3769.91 2974.28,3749.03 2983.75,3739.56 2983.75,3683.15 v1(3001.28,3665.62) ; v1(3002.25,4024.89) 3002.25,3920.58 3012.01,3910.82 ; 3007.75,3764.94 3007.75,3739.94 3007.38,3739.56 3007.38,3689.52 v1(3023.28,3673.62) ; 3027.21,3622.48 3012.43,3622.48 v1(3003.79,3631.12) 2992.09,3642.82 2916.28,3642.82 ; 3033.74,3950.93 v1(3033.74,4024.47) ; v1(3054.13,321.88) 3080.13,321.88 ; v1(3057.36,3832.62) 3057.36,3950.93 ; v1(3084.58,3675.48) 3108.58,3675.48 ; v1(3088.28,3779.12) 3094.78,3772.62 3120.66,3772.62 ; 3103.75,321.88 3129.63,321.88 v1(3136.13,315.38) ; v1(3104.58,220.56) 3104.58,245.1 ; 3104.58,271.78 3124.22,271.78 3134.13,261.88 3134.13,122.88 3102.13,90.88 2990.13,90.88 2953.13,127.88 2953.13,142.88 2931.13,164.88 2909.21,164.88 ; 3115.83,419.01 v1(3139.83,419.01) ; 3119.84,3822.71 3100.19,3822.71 3090.28,3832.62 3090.28,3971.62 3122.28,4003.62 3234.28,4003.62 3271.28,3966.62 3271.28,3951.62 3293.28,3929.62 3315.2,3929.62 ; 3119.84,3849.4 v1(3119.84,3873.93) ; 3144.28,3772.62 v1(3170.28,3772.62) ; 3167.05,143.56 v1(3167.05,261.88) ; v1(3190.67,70.02) 3190.67,143.56 ; 3197.21,472.01 3211.99,472.01 v1(3220.62,463.37) 3232.33,451.67 3308.13,451.67 ; v1(3201.13,420.88) 3217.04,404.97 3217.04,354.93 3216.66,354.55 3216.66,329.55 ; 3212.41,183.67 3222.17,173.91 v1(3222.17,69.6) ; v1(3223.13,428.88) 3240.66,411.34 3240.66,354.93 3250.13,345.46 3250.13,324.58 ; 3227.83,3861.4 3227.83,3874.55 3235.67,3882.4 v1(3285.71,3882.4) ; v1(3235.72,587.56) 3280.58,542.69 3280.58,522.1 ; 3259.32,3861.4 3315.2,3861.4 ; 3315.2,3865.41 3315.2,3861.4 ; 3333.53,1765.37 3358.18,1740.72 3424.58,1740.72 3424.79,1740.51 3491.73,1740.51 3523.23,1740.51 3540.55,1723.19 ; 3341.28,3834.71 v1(3341.28,3881.78) ; v1(3370.28,3859.84) 3370.28,3906.62 3347.28,3929.62 3315.2,3929.62 ; 3373.99,567.54 v1(3373.99,590.78) ; 3374.08,533.1 3381.25,533.1 v1(3391.72,543.56) ; 3382.29,456.61 v1(3342.77,456.61) 3333.13,446.97 3333.13,367.87 3377.9,323.1 3414.8,323.1 ; 3405.53,139.1 3405.53,184.26 3410.21,188.94 3486.34,188.94 3507.09,168.18 3507.09,151.26 ; 3414.8,299.1 3372.21,299.1 ; v1(3420.32,3517.62) 3442.32,3495.62 3619.28,3495.62 3631.31,3507.64 3655.84,3507.64 ; 3432.76,533.1 3432.76,565.81 3434.49,567.54 v1(3463.79,567.54) ; 3449.73,1714.92 v1(3469.21,1714.92) 3491.73,1714.92 ; 3453.02,3893.4 3478.61,3893.4 3478.61,3978.17 3501.83,4001.4 3543.24,4001.4 ; 3454.69,2270.84 3461.27,2264.25 v1(3573.21,2264.25) 3607.14,2230.32 3720.99,2230.32 3748.28,2257.62 3748.28,2275.62 ; v1(3457.85,1791.69) 3491.73,1791.69 ; 3465.21,505.56 3431.81,505.56 3427.49,501.24 3427.49,481.88 ; 3465.21,529.18 v1(3486.31,550.29) 3517.58,550.29 3525.26,550.29 3540.96,534.58 3540.96,530.1 ; 3466.65,68.17 3475.49,77.02 3507.09,77.02 3625.58,77.02 ; v1(3478.81,456.71) 3427.49,456.71 3427.49,481.88 ; v1@3480.31,456.71 3501.56,435.46 3522.49,435.46 ; v1(3494.95,4045.15) 3519.35,4045.15 3519.35,4022.4 ; v1(3528.32,3746.62) 3576.28,3746.62 3594.28,3764.62 3633.73,3764.62 ; 3542.97,4045.15 v1(3614.17,4045.15) 3645.11,4014.21 3645.11,3966.45 ; 3543.24,3954.32 3543.24,4001.4 ; 3543.24,4044.88 3543.24,4001.4 ; 3553.22,228 3553.22,217.57 3548.21,212.56 v1(3485.7,212.56) 3410.21,212.56 3407.21,212.56 3372.21,247.56 3372.21,299.1 ; v1(3557.28,3773.62) 3568.98,3785.31 